# Altium PCB PrintNC_GRBLHAL_Breakout.pcbdoc (part 7 of 9)
Units mm, origin at the board's own origin, x right, y up, seen from the top; angles counter-clockwise.
Board outline 100 x 100 mm, 4 copper layers (Top Layer, GND, PWR, Bottom Layer), stack 0.603 mm thick; 296 components, 213 nets, 5829 pads, 410 vias.
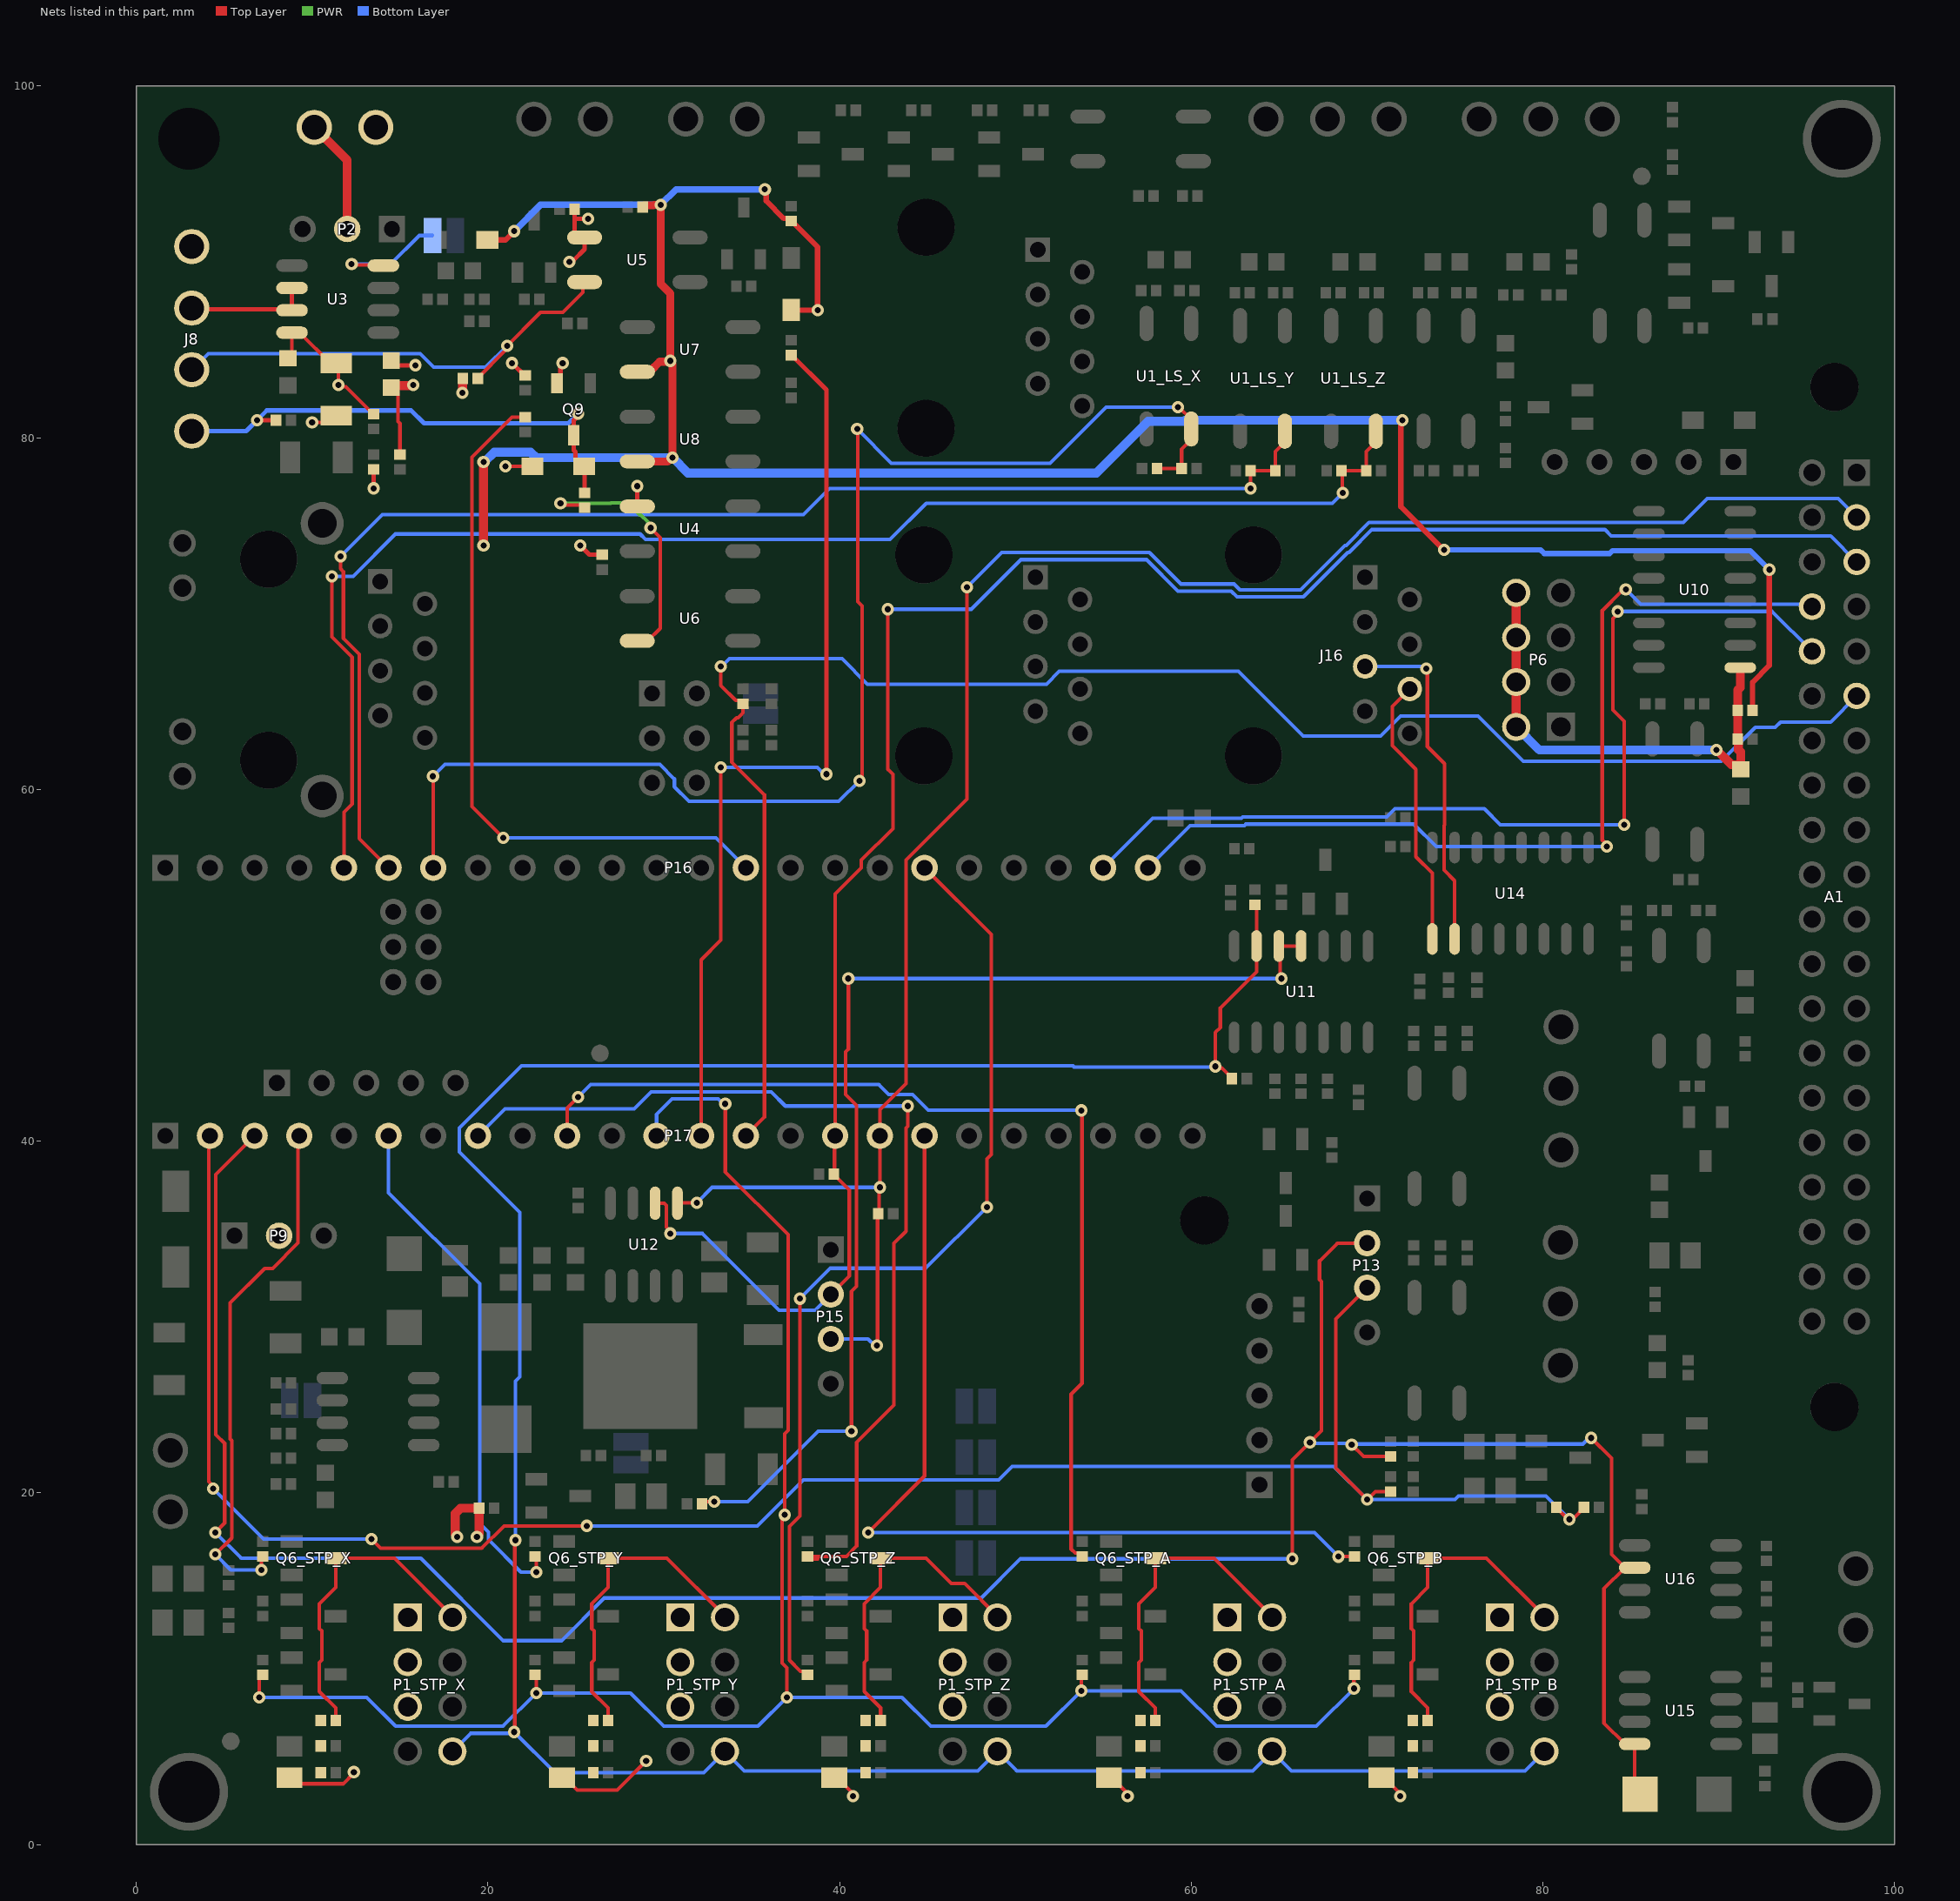
[diagram p9: the nets of this part, all layers, seen from the top]

## Via types
v1: diameter 0.7, hole 0.35, Top Layer to Bottom Layer, tented both sides, 402 vias
v2: diameter 1.27, hole 0.711, Top Layer to Bottom Layer, tented both sides, 8 vias

## Nets (pads, with @x,y where several pads share a name; then routed paths per layer and width w, separated by ;. In a path a pad name is that pad's centre, name@x,y a point inside that pad or via, vN(x,y) a via of type N, cw(c..) or ccw(c..) an arc to the next point about the centre after c; other vN are vias at no path point) (continued)
RELAY_VCC: D8.2 D10.2 P9.2 R36.1 R40.1 R43.1 U7.4 U8.4 | length 141.4
  Top Layer w0.305: D8.2@19.975,91.25 21,91.25 v1(21.5,91.75) ; v1(35.75,94.125) 35.826,94.049 35.826,93.472 36.825,92.473 37.102,92.473 R40.1@37.25,92.325 37.275,92.325 38.75,90.85 38.75,87.3 v1@38.725,87.275 ; D10.2@37.25,87.275 37.275,87.25 v1(38.75,87.25) ; v1(72,81) 72,80.893 71.92,80.813 71.92,76.08 v1(74.375,73.625) ; R43.1@91.925,64.5 91.925,66.103 92.875,67.053 v1(92.875,72.5)
  Top Layer w0.457: U7.4@28.579,83.82 29.258,83.82 29.767,84.329 30.329,84.329 v1(30.375,84.375) ; U8.4@28.667,78.654 30.213,78.654 30.434,78.875 v1(30.5,78.875) 30.5,84.184 30.375,84.309 v1(30.375,84.375) ; R36.1@28.8,93.125 28.8,93.15 28.871,93.221 29.418,93.221 29.446,93.25 v1(29.825,93.25) 29.825,88.754 30.375,88.204 v1(30.375,84.375)
  Top Layer w0.508: v1(19.75,73.875) v1(19.75,78.625)
  Bottom Layer w0.305: v1(74.375,73.625) 79.873,73.625 80.078,73.42 83.797,73.42 83.958,73.58 91.795,73.58 v1(92.875,72.5)
  Bottom Layer w0.381: v1(21.5,91.75) 23,93.25 v1(29.825,93.25) 30.7,94.125 35.625,94.125 v1@35.75,94.25
  Bottom Layer w0.508: v1(19.75,78.625) 19.802,78.625 20.359,79.182 22.427,79.182 22.734,78.875 v1(30.5,78.875) 31.379,77.996 54.604,77.996 57.552,80.943 59.584,80.943 59.641,81 v1(72,81)
RESET: 
RXD_EXT: P13.3 P17.2 R60.1 R68.2 R69.1 | length 119.2
  Top Layer w0.203: P17.2@4.191,40.307 4.124,40.24 4.124,20.635 4.375,20.384 v1(4.375,20.25) ; v1(13.375,17.375) 13.905,16.845 19.646,16.845 20.926,18.125 v1(25.625,18.125) ; P13.3@70,31.665 68.22,29.885 68.22,21.405 v1(70,19.625) 70.034,19.625 70.48,20.071 R60.1@71.334,20.071 ; R68.2@80.772,19.177 80.772,19.152 81.424,18.5 v1(81.5,18.5) 81.595,18.595 81.778,18.595 82.335,19.152 R69.1@82.335,19.177
  Bottom Layer w0.203: v1(4.375,20.25) 7.25,17.375 v1(13.375,17.375) ; v1(25.625,18.125) 35.324,18.125 37.942,20.743 49.043,20.743 49.815,21.515 68.11,21.515 v1(70,19.625) ; v1@70.09,19.67 70.134,19.625 74.99,19.625 75.188,19.822 80.178,19.822 v1(81.5,18.5)
RXD_INT: A1.8 P16.23 | length 54
  Top Layer w0.203: v1(83.625,56.75) 83.625,56.867 83.375,57.117 83.375,70.176 84.479,71.28 84.617,71.28 v1(84.712,71.375)
  Bottom Layer w0.203: P16.23@57.531,55.547 59.932,57.948 63.023,57.948 63.104,58.03 72.657,58.03 73.937,56.75 v1(83.625,56.75) ; v1(84.712,71.375) 85.556,70.531 95.172,70.531 A1.8@95.303,70.4
SCL: A1.5 P15.2 P17.16 R48.1 U12.6 | length 114.4
  Top Layer w0.203: U12.6@29.51,36.475 30.034,36.475 30.157,36.352 30.157,35.103 30.375,34.884 v1(30.375,34.75) ; P15.2@39.5,31.29 40.555,32.345 40.555,37.22 39.713,38.062 39.713,40.269 P17.16@39.751,40.307 39.751,54.056 41.236,55.541 41.236,55.984 43.03,57.777 43.03,60.869 42.75,61.149 v1(42.75,70.25)
  Bottom Layer w0.203: v1(30.375,34.75) 32.2,34.75 36.559,30.39 38.6,30.39 P15.2@39.5,31.29 ; v1(42.75,70.25) 47.499,70.25 50.319,73.07 57.453,73.07 59.243,71.28 62.271,71.28 62.598,70.953 66.377,70.953 68.9,73.476 68.976,73.476 70.28,74.78 83.521,74.78 83.879,74.421 96.362,74.421 A1.5@97.843,72.94
SDA: A1.3 P15.3 P17.17 R47.1 U12.5 | length 114.8
  Top Layer w0.203: U12.5@30.78,36.475 30.805,36.5 v1(31.875,36.5) ; v1(42.125,28.375) 42.163,28.413 42.163,35.85 42.246,35.933 42.246,37.33 v1(42.291,37.375) P17.17@42.291,40.307 42.291,41.791 43.776,43.276 43.776,55.984 47.25,59.457 v1(47.25,71.5)
  Bottom Layer w0.203: v1(31.875,36.5) 32.75,37.375 v1(42.291,37.375) ; P15.3@39.5,28.75 41.616,28.75 41.991,28.375 v1(42.125,28.375) ; v1(47.25,71.5) 49.226,73.476 57.621,73.476 59.411,71.686 62.439,71.686 62.766,71.359 66.209,71.359 68.732,73.882 68.808,73.882 70.112,75.186 87.987,75.186 89.339,76.539 96.784,76.539 A1.3@97.843,75.48
SPIN_DIR_12V: J8.A3 R29.1 U5.4 | length 27.9
  Top Layer w0.203: R29.1@19.425,83.375 19.425,83.4 20.998,84.973 20.998,85.141 22.987,87.13 24.255,87.13 25.394,88.269 25.394,88.749 U5.4@25.5,88.855
  Bottom Layer w0.203: J8.A3@3.155,83.875 3.191,83.875 4.096,84.78 16.146,84.78 16.915,84.01 19.868,84.01 v1(21.093,85.236)
SPIN_EN_12V: D7.1 J8.A4 Q9.3 R33.1 R38.1 | length 29
  Top Layer w0.254: v1(6.875,81) R38.1@7.95,81 ; v1(25.125,81.375) 25.125,81.254 24.875,81.004 24.875,79.296 24.977,79.194 24.977,78.748 25.35,78.375 D7.1@25.475,78.375 25.5,78.35 R33.1@25.5,76.925
  Bottom Layer w0.254: J8.A4@3.155,80.375 6.25,80.375 7.43,81.555 15.633,81.555 16.368,80.82 24.57,80.82 v1(25.125,81.375)
SPIN_GND: C4.1 C6.1 J7.1 J8.A1 P3.A2 Q9.2 R28.2 R31.2 R32.2 R35.2 U3.4 U4.3 U5.3 | length 20.4
  Top Layer w0.203: v1(10,80.875) 10.99,80.875 C6.1@11.375,81.26 ; v1(12.25,89.875) 12.292,89.833 14.014,89.833 U3.4@14.056,89.791
  Top Layer w0.254: v1(13.5,77.125) R28.2@13.5,78.2 ; C4.1@14.5,84.395 14.77,84.125 v1(15.875,84.125) ; v1(21.375,84.25) 21.82,83.805 21.845,83.805 22.1,83.55 R35.2@22.125,83.55 ; Q9.2@23.925,83.1 24.123,83.298 24.123,84.002 24.25,84.129 v1(24.25,84.25) ; v1(24.625,90) 24.71,90.085 24.87,90.085 25.5,90.716 U5.3@25.5,91.395 25.177,91.395 24.925,91.647 24.925,92.493 ; R31.2@24.925,93 24.925,92.493 ; v1(25.25,73.875) 25.775,73.35 R32.2@26.5,73.35 ; v1(25.697,92.447) 24.971,92.447 24.925,92.493 ; 28.5,76.5 v1(28.5,77.25)
  Bottom Layer w0.203: v1(12.25,89.875) 14.471,89.875 16.096,91.5 J7.1@16.85,91.5
SPINDLE_CONN: J8.A2 U3.6 U3.7 | length 7
  Top Layer w0.254: J8.A2@3.155,87.375 3.217,87.313 8.794,87.313 U3.7@8.856,87.251 U3.6@8.856,88.521
SPINDLE_DIR: P17.13 R30.1 | length 52.2
  Top Layer w0.203: P17.13@32.131,40.307 32.131,50.312 33.25,51.431 v1(33.25,61.25)
  Top Layer w0.254: R30.1@37.25,84.7 37.275,84.7 39.25,82.725 v1(39.25,60.875)
  Bottom Layer w0.203: v1(33.25,61.25) 38.741,61.25 39.116,60.875 v1(39.25,60.875)
SPINDLE_EN: A1.11 P17.14 R34.1 | length 99.1
  Top Layer w0.203: v1(33.25,67) 33.25,65.919 34.096,65.073 34.302,65.073 R34.1@34.5,64.875 34.5,64.351 34.225,64.076 34.146,64.076 33.87,63.801 33.87,61.555 35.726,59.7 35.726,41.362 P17.14@34.671,40.307
  Bottom Layer w0.203: v1(33.25,67) 33.304,67 33.74,67.436 40.138,67.436 41.584,65.99 51.768,65.99 52.497,66.72 62.681,66.72 66.356,63.044 70.762,63.044 71.898,64.18 76.303,64.18 78.887,61.595 90.146,61.595 92.08,63.53 93.205,63.53 93.514,63.839 96.362,63.839 A1.11@97.843,65.32
SPINDLE_PWM: P16.14 R23.1 | length 40.9
  Top Layer w0.203: v1(20.875,57.25) 19.095,59.03 19.095,78.896 21.374,81.175 R23.1@22.125,81.175
  Bottom Layer w0.203: v1(20.875,57.25) 32.968,57.25 P16.14@34.671,55.547
SPINDLE_PWR_12V: C4.2 C6.2 D7.2 D9.A P2.2 P3.A1 R24.1 R25.1 R29.2 R33.2 U3.8 U6.4 | length 37.9
  Top Layer w0.203: D9.A@8.625,84.52 8.856,84.751 U3.8@8.856,85.981 9.299,85.981 11.04,84.24 C6.2@11.375,84.24 11.5,84.115 v1(11.5,83) 11.595,82.905 11.92,82.905 13.475,81.35 R25.1@13.5,81.35 ; C4.2@14.5,82.855 14.525,82.855 14.888,82.492 14.888,80.926 15,80.814 R24.1@15,79.05 ; v1(21,78.375) D7.2@22.525,78.375 ; v1(24.125,76.28) 24.22,76.185 25.39,76.185 R33.2@25.5,76.075 ; U6.4@28.496,68.453 29.096,68.453 29.805,69.162 29.805,74.32 v1(29.25,74.875)
  Top Layer w0.5: P3.A1@10.125,97.655 12,95.78 P2.2@12,91.875 ; v1(18.55,82.55) 18.563,82.562 18.563,83.363 R29.2@18.575,83.375
  Top Layer w0.508: C4.2@14.5,82.855 14.608,82.963 15.713,82.963 v1(15.75,83)
  PWR w0.203: v1(24.125,76.28) 26.979,76.28 27.004,76.305 27.945,76.305 28.643,75.607 28.703,75.607 29.083,75.228 29.083,75.176 29.25,75.009 v1(29.25,74.875)
STEP-_STP_A: P1_STP_A.2 Q6_STP_A.3 R16_STP_A.1 | length 18.2
  Top Layer w0.203: R16_STP_A.1@57.955,7.062 57.955,7.77 57.02,8.705 57.02,10.355 57.161,10.495 57.161,12.146 57.02,12.286 57.02,13.697 57.95,14.627 Q6_STP_A.3@57.95,16.286 61.292,16.286 64.594,12.984 P1_STP_A.2@64.594,12.918
STEP-_STP_B: P1_STP_B.2 Q6_STP_B.3 R16_STP_B.1 | length 18.2
  Top Layer w0.203: R16_STP_B.1@73.449,7.062 73.449,7.77 72.514,8.705 72.514,10.355 72.655,10.495 72.655,12.146 72.514,12.286 72.514,13.697 73.444,14.627 Q6_STP_B.3@73.444,16.286 76.786,16.286 80.088,12.984 P1_STP_B.2@80.088,12.918
STEP-_STP_X: P1_STP_X.2 Q6_STP_X.3 R16_STP_X.1 | length 18.2
  Top Layer w0.203: R16_STP_X.1@11.346,7.062 11.346,7.77 10.411,8.704 10.411,10.355 10.552,10.495 10.552,12.146 10.411,12.286 10.411,13.697 11.341,14.627 Q6_STP_X.3@11.341,16.286 14.683,16.286 17.985,12.984 P1_STP_X.2@17.985,12.918
STEP-_STP_Y: P1_STP_Y.2 Q6_STP_Y.3 R16_STP_Y.1 | length 18.3
  Top Layer w0.203: Q6_STP_Y.3@26.835,16.286 30.177,16.286 33.479,12.984 P1_STP_Y.2@33.479,12.918 ; R16_STP_Y.1@26.84,7.062 26.84,7.77 25.905,8.705 25.905,10.355 26.046,10.495 26.046,12.146 25.905,12.286 25.905,13.697 26.835,14.627 26.835,16.038 26.862,16.038 Q6_STP_Y.3@27.11,16.286
STEP-_STP_Z: P1_STP_Z.2 Q6_STP_Z.3 R16_STP_Z.1 | length 18.2
  Top Layer w0.203: R16_STP_Z.1@42.334,7.062 42.334,7.77 41.399,8.705 41.399,10.355 41.54,10.495 41.54,12.146 41.399,12.286 41.399,13.697 42.329,14.627 Q6_STP_Z.3@42.329,16.286 44.913,16.286 46.353,14.847 47.11,14.847 48.973,12.984 P1_STP_Z.2@48.973,12.918
STEP_A: P17.10 R19_STP_A.1 | length 58
  Top Layer w0.203: P17.10@24.511,40.307 24.511,41.886 v1(25.125,42.5) ; v1(53.75,41.75) 53.786,41.714 53.786,26.237 53.169,25.621 53.169,16.81 53.395,16.584 53.601,16.584 R19_STP_A.1@53.799,16.386
  Bottom Layer w0.203: v1(25.125,42.5) 25.842,43.217 42.232,43.217 42.795,42.655 44.146,42.655 45.033,41.768 53.732,41.768 v1(53.75,41.75)
STEP_B: P17.18 R19_STP_B.1 | length 52.1
  Top Layer w0.203: v1(41.625,17.75) 44.831,20.956 P17.18@44.831,40.307 ; v1(68.375,16.375) 68.381,16.381 69.288,16.381 R19_STP_B.1@69.293,16.386
  Bottom Layer w0.203: v1(41.625,17.75) 67,17.75 v1(68.375,16.375)
STEP_X: P17.4 R19_STP_X.1 | length 29.9
  Top Layer w0.203: v1(4.5,16.5) 5.436,17.436 5.436,22.978 5.344,23.07 5.344,30.805 7.305,32.766 7.757,32.766 9.204,34.213 9.204,40.24 P17.4@9.271,40.307 ; v1(7.125,15.625) 7.125,16.321 R19_STP_X.1@7.19,16.386
  Bottom Layer w0.203: v1(4.5,16.5) 5.375,15.625 v1(7.125,15.625)
STEP_Y: P17.6 R19_STP_Y.1 | length 29.7
  Top Layer w0.203: R19_STP_Y.1@22.684,16.386 22.75,16.32 v1(22.75,15.5)
  Bottom Layer w0.203: P17.6@14.351,40.307 14.351,37.075 19.529,31.897 19.529,18.272 20.03,17.771 20.03,17.345 21.875,15.5 v1(22.75,15.5)
STEP_Z: P17.8 R19_STP_Z.1 | length 55.7
  Top Layer w0.203: 38.75,16.25 38.314,16.25 R19_STP_Z.1@38.178,16.386 40.385,16.386 40.97,16.972 40.97,22.87 43.095,24.995 43.095,34.195 43.776,34.876 43.776,40.744 43.875,40.842 v1(43.875,42)
  Bottom Layer w0.203: P17.8@19.431,40.307 20.969,41.845 28.312,41.845 29.278,42.811 36.104,42.811 36.915,42 v1(43.875,42)
STEPPER_VCC: C3_STP_A.2 C3_STP_B.2 C3_STP_X.2 C3_STP_Y.2 C3_STP_Z.2 L1.2 P1_STP_A.1 P1_STP_A.3 P1_STP_A.5 P1_STP_B.1 P1_STP_B.3 P1_STP_B.5 P1_STP_X.1 P1_STP_X.3 P1_STP_X.5 P1_STP_Y.1 P1_STP_Y.3 P1_STP_Y.5 P1_STP_Z.1 P1_STP_Z.3 P1_STP_Z.5 R16_STP_A.2 R16_STP_B.2 R16_STP_X.2 R16_STP_Y.2 R16_STP_Z.2 R17_STP_A.2 R17_STP_B.2 R17_STP_X.2 R17_STP_Y.2 R17_STP_Z.2 R18_STP_A.2 R18_STP_B.2 R18_STP_X.2 R18_STP_Y.2 R18_STP_Z.2 | length 19.3
  Top Layer w0.203: C3_STP_X.2@8.749,3.932 9.224,3.457 11.772,3.457 12.375,4.06 v1(12.375,4.125) ; C3_STP_Y.2@24.243,3.932 25.071,3.104 27.354,3.104 v1(29,4.75) ; C3_STP_Z.2@39.737,3.932 40.665,3.004 40.665,2.845 v1(40.76,2.75) ; C3_STP_A.2@55.358,3.932 56.286,3.004 56.286,2.845 v1(56.381,2.75) ; C3_STP_B.2@70.852,3.932 71.78,3.004 71.78,2.845 v1(71.875,2.75)
  Top Layer w0.508: v1(18.25,17.5) 18.25,17.552 18.14,17.662 18.14,18.827 18.438,19.125 19.454,19.125 L1.2@19.5,19.125 19.5,17.677 19.375,17.552 v1(19.375,17.5)
STP_ALARM: R50.2 U11.11 U11.12 | length 64.2
  Top Layer w0.203: R50.2@32.175,19.375 32.3,19.5 v1(32.875,19.5) ; v1(40.5,49.25) 40.5,45.237 40.345,45.082 40.345,42.655 40.961,42.039 40.961,31.746 40.675,31.459 v1(40.675,23.5) ; v1(65.125,49.25) 65.053,49.322 65.053,51.028 U11.12@64.98,51.1 U11.11@66.25,51.1
  Bottom Layer w0.203: v1(32.875,19.5) 34.775,19.5 38.775,23.5 v1(40.675,23.5) ; v1(40.5,49.25) v1(65.125,49.25)
STP_ALARM_5V_n: C13.2 P1_STP_A.8 P1_STP_B.8 P1_STP_X.8 P1_STP_Y.8 P1_STP_Z.8 R49.1 U11.13 | length 158.6
  Top Layer w0.203: v1(21.5,6.403) 21.531,6.434 21.531,17.281 v1(21.563,17.313) ; R49.1@62.313,43.561 62.313,43.586 61.744,44.155 61.47,44.155 v1(61.375,44.25) 61.375,46.183 61.655,46.463 61.655,47.58 63.71,49.636 63.71,53.365 C13.2@63.625,53.45
  Bottom Layer w0.203: P1_STP_X.8@17.985,5.298 19.014,6.327 21.424,6.327 v1(21.5,6.403) 23.807,4.095 32.276,4.095 P1_STP_Y.8@33.479,5.298 34.584,4.193 47.868,4.193 P1_STP_Z.8@48.973,5.298 50.078,4.193 63.489,4.193 P1_STP_A.8@64.594,5.298 65.699,4.193 78.983,4.193 P1_STP_B.8@80.088,5.298 ; v1(21.563,17.313) 21.563,26.359 21.815,26.611 21.815,35.958 18.376,39.396 18.376,40.744 21.912,44.28 53.271,44.28 53.33,44.22 61.345,44.22 v1(61.375,44.25)
STP_EN: P17.12 R21_STP_A.1 R21_STP_B.1 R21_STP_X.1 R21_STP_Y.1 | length 113.6
  Top Layer w0.203: v1(7,8.375) 7,9.465 R21_STP_X.1@7.19,9.655 ; R21_STP_Y.1@22.684,9.655 22.75,9.589 v1(22.75,8.625) ; v1(33.5,42.125) 33.5,38.261 37.073,34.688 37.073,23.555 36.875,23.357 36.875,18.616 36.736,18.476 36.736,10.317 37,10.052 v1(37,8.375) ; v1(53.75,8.75) 53.75,9.606 R21_STP_A.1@53.799,9.655 ; v1(69.25,8.875) 69.25,9.612 R21_STP_B.1@69.293,9.655
  Bottom Layer w0.203: v1(7,8.375) 13.108,8.375 14.75,6.733 20.858,6.733 v1(22.75,8.625) 28.108,8.625 30,6.733 35.358,6.733 v1(37,8.375) 43.546,8.375 45.188,6.733 51.733,6.733 v1(53.75,8.75) 59.421,8.75 61.438,6.733 67.108,6.733 v1(69.25,8.875) ; P17.12@29.591,40.307 29.591,41.517 30.479,42.405 33.086,42.405 33.366,42.125 v1(33.5,42.125)
  other v1: 36.875,18.75
STP_EN_Z: P16.18 R21_STP_Z.1 | length 56
  Top Layer w0.203: v1(37.736,31.045) 37.736,18.685 37.142,18.091 37.142,10.485 37.774,9.853 37.98,9.853 R21_STP_Z.1@38.178,9.655 ; P16.18@44.831,55.547 48.625,51.753 48.625,39.25 48.375,39 v1(48.375,36.25)
  Bottom Layer w0.203: v1(37.736,31.045) 39.466,32.775 44.9,32.775 v1(48.375,36.25)
TXD_EXT: D20.2 P13.2 P17.3 R58.2 U15.4 U16.2 | length 152.4
  Top Layer w0.203: v1(4.5,17.75) 5.03,18.28 5.03,22.809 4.53,23.309 4.53,38.106 P17.3@6.731,40.307 ; v1(65.75,16.25) 65.75,21.875 67.405,23.53 67.405,32.021 67.295,32.13 67.295,33.191 68.309,34.205 P13.2@70,34.205 ; v1(69.125,22.75) 69.804,22.071 R58.2@71.334,22.071 ; v1(82.75,23.125) 83.905,21.97 83.905,16.514 U16.2@84.671,15.748 ; U16.2@85.221,15.748 U16.2@84.671,15.748 ; D20.2@85.525,2.875 85.221,3.179 U15.4@85.221,5.715 84.671,5.715 83.47,6.916 83.47,14.547 U16.2@84.671,15.748
  Bottom Layer w0.203: v1(4.5,17.75) 5.97,16.28 16.186,16.28 20.87,11.595 24.186,11.595 26.613,14.023 48.06,14.023 50.288,16.25 v1(65.75,16.25) ; v1(66.75,22.875) 66.813,22.813 69.062,22.813 v1(69.125,22.75) 69.155,22.78 82.27,22.78 82.616,23.125 v1(82.75,23.125)
TXD_INT: A1.10 P16.22 | length 55.9
  Top Layer w0.203: v1(84.25,70.125) 84.25,69.991 83.97,69.711 83.97,64.53 84.625,63.875 v1(84.625,58)
  Bottom Layer w0.203: P16.22@54.991,55.547 57.799,58.355 62.854,58.355 62.936,58.436 71.112,58.436 71.58,58.905 76.67,58.905 77.574,58 v1(84.625,58) ; v1(84.25,70.125) 93.038,70.125 A1.10@95.303,67.86
VCC_RLY: C8.2 P6.2 P6.4 P6.6 P6.8 R43.2 R44.2 U10.9 | length 27.2
  Top Layer w0.508: P6.2@78.48,63.565 P6.8@78.48,71.185 ; v1(89.875,62.25) 90.713,61.412 C8.2@91.25,61.412 ; R44.2@91.075,62.875 91.121,62.829 91.121,62.259 91.25,62.13 C8.2@91.25,61.412 ; R44.2@91.075,62.921 91.075,64.571 91.075,65.654 91.225,65.804 U10.9@91.225,66.93 ; C8.2@91.25,61.145 C8.2@91.25,61.412
  Bottom Layer w0.508: P6.2@78.48,63.565 79.795,62.25 v1(89.875,62.25)
X_LIM: C1_LS_X.2 P16.7 R1_LS_X.1 U1_LS_X.4 | length 77.4
  Top Layer w0.203: v1(16.875,60.75) 16.883,60.742 16.883,55.555 P16.7@16.891,55.547 ; v1(41,80.5) 41.031,80.469 41.031,70.686 41.28,70.437 41.28,60.789 41.125,60.634 v1(41.125,60.5) ; C1_LS_X.2@58.05,78.25 R1_LS_X.1@59.45,78.25 59.45,79.35 60,79.9 60,81.05 59.3,81.75 v1(59.25,81.75)
  Bottom Layer w0.203: v1(16.875,60.75) 17.56,61.435 29.772,61.435 30.605,60.601 30.605,60.159 31.438,59.325 39.95,59.325 v1(41.125,60.5) ; v1(41,80.5) 42.946,78.554 51.968,78.554 55.164,81.75 v1(59.25,81.75)
Y_LIM: C1_LS_Y.2 P16.6 R1_LS_Y.1 U1_LS_Y.4 | length 77.1
  Top Layer w0.203: v1(11.625,73.25) 11.625,72.551 11.78,72.396 11.78,68.596 12.686,67.689 12.686,57.212 P16.6@14.351,55.547 ; v1(63.375,77.125) C1_LS_Y.2@63.375,78.125 R1_LS_Y.1@64.775,78.125 64.775,79.225 65.325,79.775 U1_LS_Y.4@65.325,80.375
  Bottom Layer w0.203: v1(11.625,73.25) 14,75.625 37.938,75.625 39.438,77.125 v1(63.375,77.125)
Z_LIM: C1_LS_Z.2 P16.5 R1_LS_Z.1 U1_LS_Z.4 | length 82.1
  Top Layer w0.203: v1(11.125,72.125) 11.125,68.676 12.28,67.521 12.28,59.181 11.811,58.713 P16.5@11.811,55.547 ; v1(68.625,76.875) 68.588,76.913 68.588,78.088 C1_LS_Z.2@68.55,78.125 R1_LS_Z.1@69.95,78.125 69.95,79.225 70.5,79.775 U1_LS_Z.4@70.5,80.375
  Bottom Layer w0.203: v1(11.125,72.125) 12.34,72.125 14.745,74.53 28.652,74.53 28.962,74.22 42.869,74.22 44.93,76.281 68.031,76.281 v1(68.625,76.875)
Z_PULSE_EXT+: J16.5 U14.10 | length 19.6
  Top Layer w0.203: v1(73.375,66.875) 73.43,66.82 73.43,62.445 74.405,61.47 74.405,57.979 74.375,57.95 74.375,55.419 74.98,54.814 U14.10@74.98,51.5
  Bottom Layer w0.203: J16.5@69.89,66.99 73.126,66.99 73.241,66.875 v1(73.375,66.875)
Z_PULSE_EXT-: J16.6 U14.9 | length 15.6
  Top Layer w0.203: J16.6@72.43,65.72 71.43,64.72 71.43,62.495 72.78,61.146 72.78,56.175 73.71,55.245 U14.9@73.71,51.5